# Altium PCB PCB1.PcbDoc (part 1 of 4)
Units mm, origin at the board's own origin, x right, y up, seen from the top; angles counter-clockwise.
Board outline 182 x 106 mm, 2 copper layers (Top Layer, Bottom Layer); 1027 components, 737 nets, 3417 pads, 0 vias.
Unrouted connection lines stored in the file: 2451.
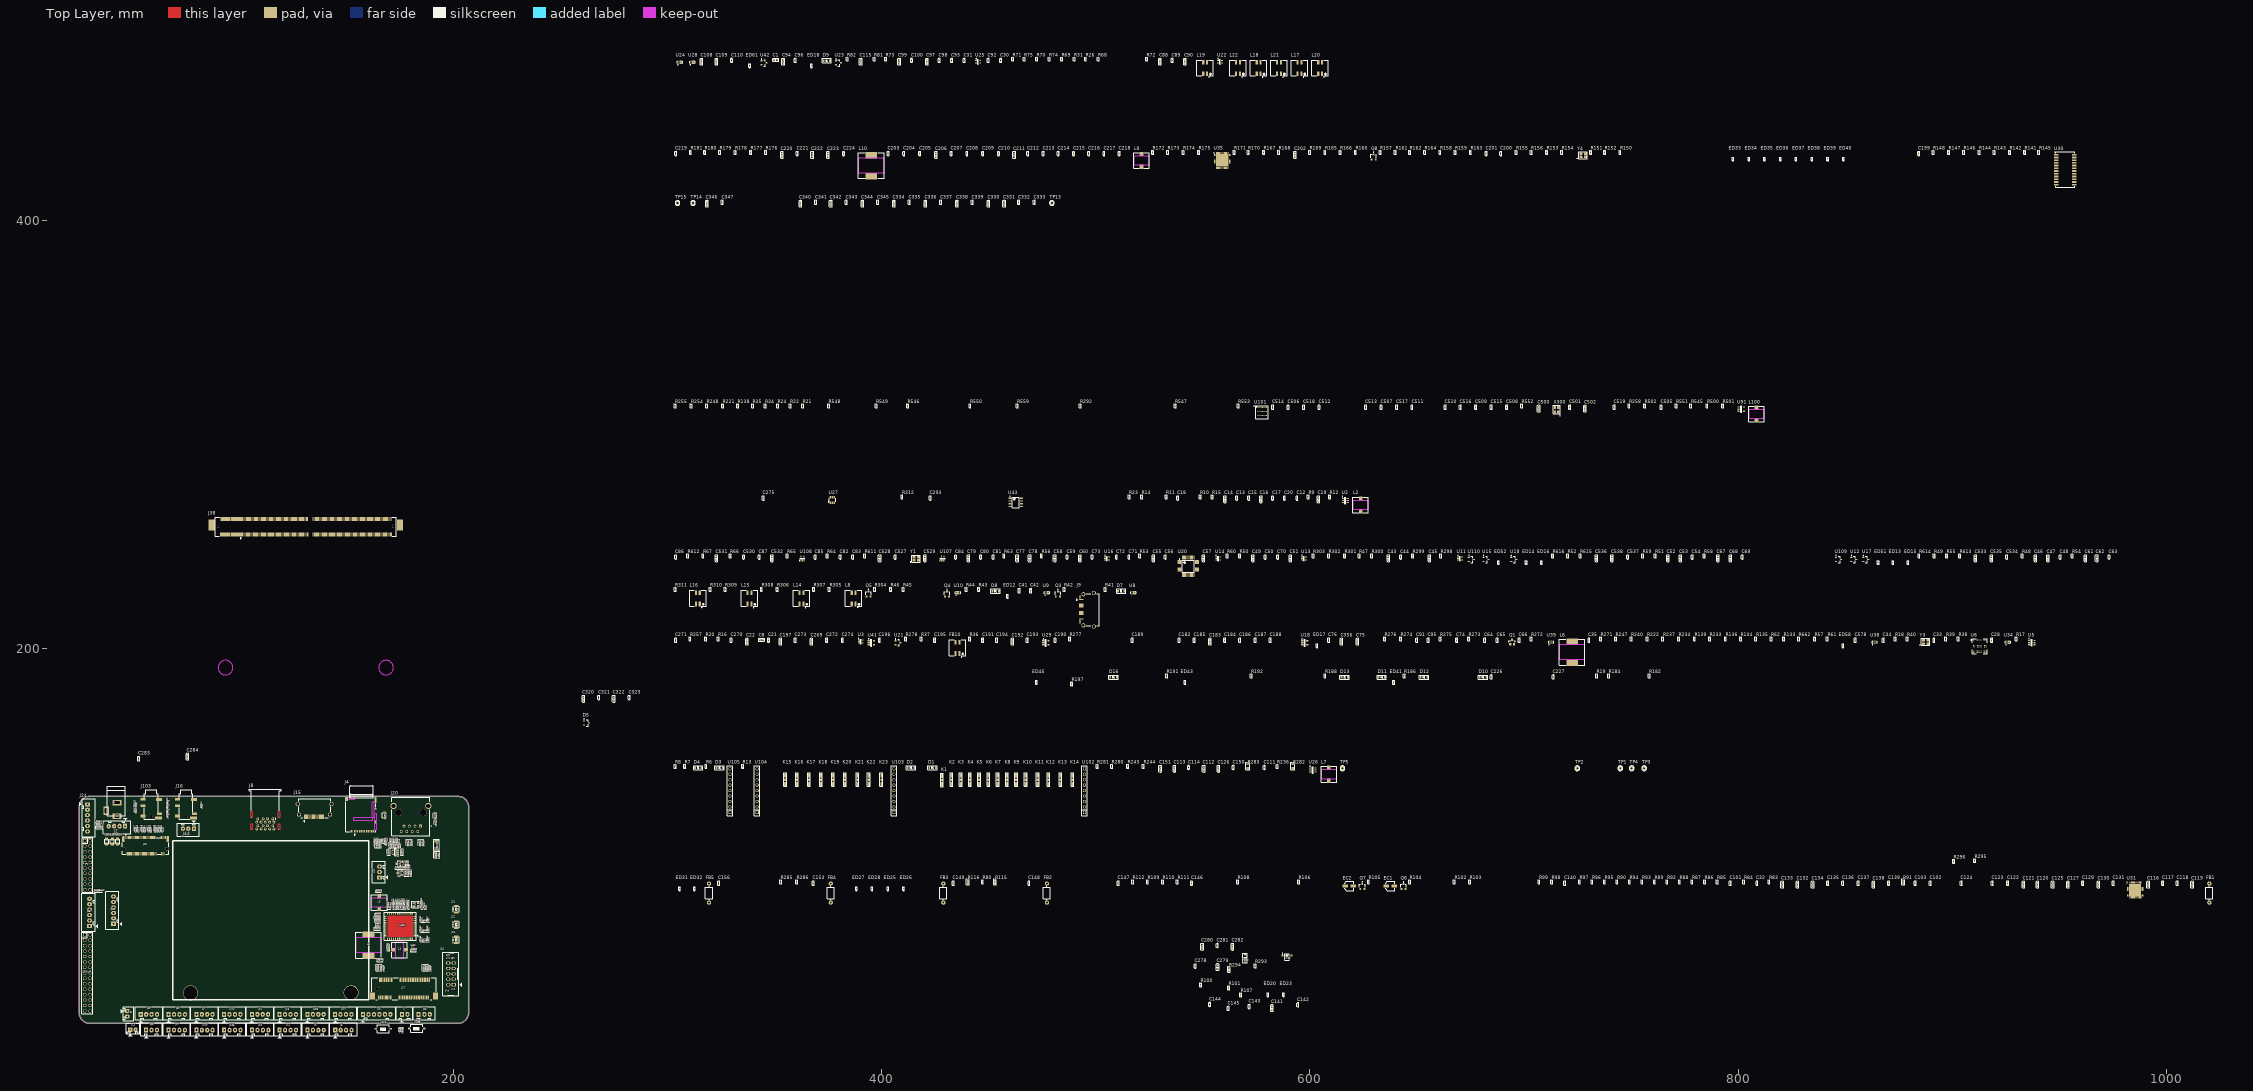
[diagram p0: Top Layer view]
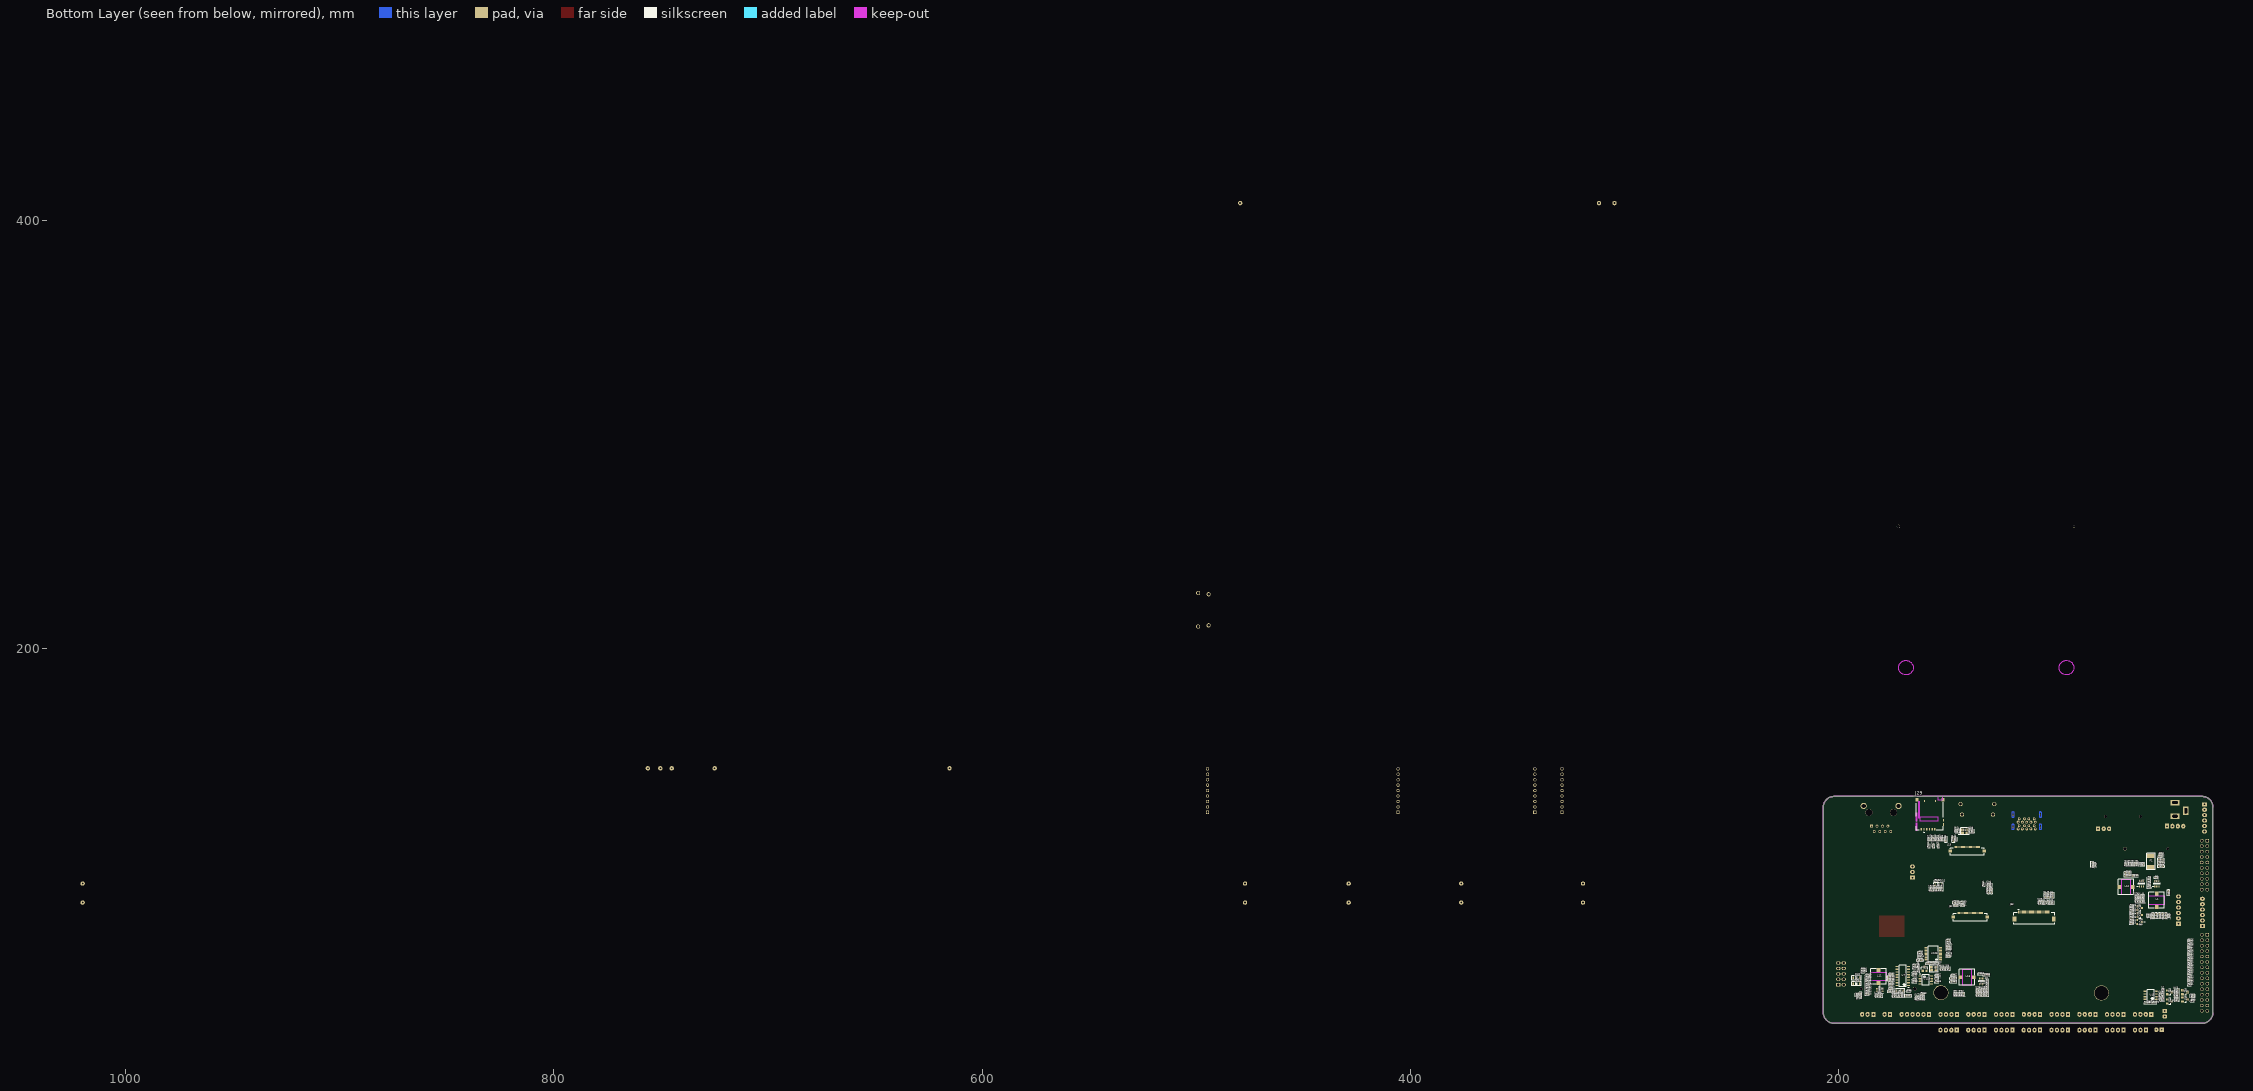
[diagram p1: Bottom Layer view, seen from below]

## Layer stack, top to bottom
Top Solder: solder mask 0.0102, Solder Resist, Dk 3.5
Top Layer: signal copper 0.0356
Dielectric 1: dielectric 0.32, FR-4, Dk 4.8
Bottom Layer: signal copper 0.0356
Bottom Solder: solder mask 0.0102, Solder Resist, Dk 3.5

## Board outline
25,30 25,126 cw(c30,126) 30,131 202,131 cw(c202,126) 207,126 207,30 cw(c202,30) 202,25 30,25 cw(c30,30)

## Design rules (kind name [scope] priority, off if disabled: settings)
Clearance [All] p1: gap=0.254
PolygonConnect [All] p1: connectstyle=Relief reliefconductorwidth=0.254 reliefentries=4 polygonreliefangle="90 Angle" airgapwidth=0.254
RoomDefinition TYPE_CO-USB3.0 [InComponentClass('TYPE_CO-USB3.0')] p1: confinementstyle=ConfineIn formatcopy=TRUE lockcomponents=FALSE outline 303.149,455.803 609.092,455.803 609.092,478.536 303.149,478.536
RoomDefinition RJ45 [InComponentClass('RJ45')] p2: confinementstyle=ConfineIn formatcopy=TRUE lockcomponents=FALSE outline 303.149,413.385 979.297,413.385 979.297,434.975 303.149,434.975
RoomDefinition MXM_Connector [InComponentClass('MXM_Connector')] p3: confinementstyle=ConfineIn formatcopy=TRUE lockcomponents=FALSE outline 303.149,317.754 559.689,317.754 559.689,412.242 303.149,412.242
RoomDefinition MIPI_Panel [InComponentClass('MIPI_Panel')] p4: confinementstyle=ConfineIn formatcopy=TRUE lockcomponents=FALSE outline 303.149,275.336 812.546,275.336 812.546,316.484 303.149,316.484
RoomDefinition MCU-TFCARD [InComponentClass('MCU-TFCARD')] p5: confinementstyle=ConfineIn formatcopy=TRUE lockcomponents=FALSE outline 303.149,247.777 627.634,247.777 627.634,274.066 303.149,274.066
RoomDefinition HOST_PORT-USB2.0 [InComponentClass('HOST_PORT-USB2.0')] p6: confinementstyle=ConfineIn formatcopy=TRUE lockcomponents=FALSE outline 303.149,232.156 1015.238,232.156 1015.238,246.507 303.149,246.507
RoomDefinition HDMI_OUT [InComponentClass('HDMI_OUT')] p7: confinementstyle=ConfineIn formatcopy=TRUE lockcomponents=FALSE outline 303.149,208.915 520.065,208.915 520.065,230.759 303.149,230.759
RoomDefinition HDMI_IN [InComponentClass('HDMI_IN')] p8: confinementstyle=ConfineIn formatcopy=TRUE lockcomponents=FALSE outline 303.149,191.643 939.546,191.643 939.546,207.645 303.149,207.645
RoomDefinition FAN [InComponentClass('FAN')] p9: confinementstyle=ConfineIn formatcopy=TRUE lockcomponents=FALSE outline 303.149,179.07 764.413,179.07 764.413,190.5 303.149,190.5
RoomDefinition DC_IN [InComponentClass('DC_IN')] p10: confinementstyle=ConfineIn formatcopy=TRUE lockcomponents=FALSE outline 303.149,121.793 759.714,121.793 759.714,148.209 303.149,148.209
RoomDefinition AUDIO_CODEC [InComponentClass('AUDIO_CODEC')] p11: confinementstyle=ConfineIn formatcopy=TRUE lockcomponents=FALSE outline 303.149,77.089 1022.731,77.089 1022.731,94.107 303.149,94.107
RoutingVias [All] p1: holewidth=0.711 width=1.27 viastyle="Through Hole" minholewidth=0.711 minwidth=1.27 maxholewidth=0.711 maxwidth=1.27
SolderMaskExpansion [All] p1: expansion=0.102
Width [All] p1: maxlimit=0.254 minlimit=0.254 preferedwidth=0.254
30 further rules are at their usual default settings.

## Classes and differential pairs
component class WIFI: C157 C158 C159 C160 C161 C162 C163 C164 C165 C166 C167 C168 C169 C170 C171 C172 C173 C174 C175 C176 C177 C178 C179 C180 C181 C285 C286 C289 J21 J22 J23 L3 L4 L5 R118 R119 R120 R121 R122 R123 R124 R125 R126 R127 R128 R129 R130 R131 R132 U32 U33 Y2
component class TYPE_CO-USB3.0: C1 C30 C31 C88 C89 C90 C92 C93 C94 C96 C97 C98 C99 C100 C108 C109 C110 C115 D9 ED18 ED61 J8 L17 L18 L19 L20 L21 L22 R26 R31 R68 R69 R70 R71 R72 R73 R74 R75 R81 R82 U22 U23 U24 U25 U28 U42
component class SPI_UART: C36 C37 C38 C39 C40 C106 C107 C357 C358 C359 C360 C361 C362 C363 C364 C572 C573 C574 C577 C580 C581 C585 C586 ED10 ED11 ED53 ED54 ED55 ED56 ED57 ED59 ED60 J5 J6 J18 J107 J108 L13 Q21 R78 R79 R137 R140 R212 R238 R242 R259 R260 R261 R262 R263 R264 R265 R266 R267 R279 R313 R314 R656 R657 R658 R671 R672 R673 U7 U44 U106 U119 Y5
component class RJ45: C198 C199 C200 C201 C202 C203 C204 C205 C206 C207 C208 C209 C210 C211 C212 C213 C214 C215 C216 C217 C218 C219 C220 C221 C222 C223 C224 C276 C277 ED33 ED34 ED35 ED36 ED37 ED38 ED39 ED40 J20 L9 L10 LED2 LED5 Q8 R141 R142 R143 R144 R145 R146 R147 R148 R149 R150 R151 R152 R153 R154 R155 R156 R157 R158 R159 R160 R161 R162 R163 R164 R165 R166 R167 R168 R169 R170 R171 R172 R173 R174 R175 R176 R177 R178 R179 R180 R181 R287 R288 R289 R290 U30 U35 Y4
component class MXM_Connector: C330 C331 C332 C333 C334 C335 C336 C337 C338 C339 C340 C341 C342 C343 C344 C345 C346 C347 C350 C351 C352 C353 J38 TP13 TP14 TP15
component class MIPI_Panel: C500 C501 C502 C503 C504 C505 C506 C507 C508 C509 C510 C511 C512 C513 C514 C515 C516 C517 C518 C519 CON40 J101 L100 R21 R22 R24 R34 R35 R138 R221 R248 R254 R255 R258 R292 R500 R501 R502 R525 R526 R527 R528 R529 R530 R531 R532 R533 R534 R535 R536 R537 R538 R539 R540 R541 R542 R543 R544 R545 R546 R547 R548 R549 R550 R551 R552 R553 R559 U91 U101 X300
component class MCU-TFCARD: C12 C13 C14 C15 C16 C17 C18 C19 C20 C23 C24 C25 C26 C27 C29 C275 C293 D5 D22 ED3 ED4 ED5 ED6 ED7 ED8 ED9 J4 J43 L2 R9 R10 R11 R12 R14 R15 R23 R25 R27 R28 R29 R30 R32 R33 R268 R269 R270 R312 U2 U4 U27 U43 U45
component class HOST_PORT-USB2.0: C43 C44 C45 C46 C47 C48 C49 C50 C51 C52 C53 C54 C55 C56 C57 C58 C59 C60 C61 C62 C63 C67 C68 C69 C70 C71 C72 C73 C77 C78 C79 C80 C81 C82 C83 C84 C85 C86 C87 C527 C528 C529 C530 C531 C532 C533 C534 C535 C536 C537 C538 ED13 ED14 ED15 ED16 ED51 ED52 J10 J11 J12 J13 J104 J105 R47 R48 R49 R50 R51 R52 R53 R54 R55 R56 R58 R59 R60 R63 R64 R65 R66 R67 R298 R299 R300 R301 R302 R303 R611 R612 R613 R614 R615 R616 U11 U12 U13 U14 U15 U16 U17 U19 U20 U107 U108 U109 U110 Y1
component class HDMI_OUT: C41 C42 D7 D8 ED12 J9 J15 L8 L14 L15 L16 Q3 Q4 Q5 R41 R42 R43 R44 R45 R46 R304 R305 R306 R307 R308 R309 R310 R311 U8 U9 U10
component class HDMI_IN: C8 C21 C22 C28 C33 C34 C35 C64 C65 C66 C74 C75 C76 C91 C95 C182 C183 C184 C185 C186 C187 C188 C189 C190 C191 C192 C193 C194 C195 C196 C197 C269 C270 C271 C272 C273 C274 C278 C279 C280 C281 C282 C356 C578 ED17 ED58 FB10 J110 L6 Q1 R16 R17 R18 R20 R36 R37 R38 R39 R40 R57 R61 R62 R133 R134 R135 R136 R139 R222 R233 R234 R237 R240 R247 R257 R271 R272 R273 R274 R275 R276 R277 R278 R293 R294 R662 U3 U5 U6 U18 U21 U29 U34 U38 U39 U40 U41 USB1 Y3
component class FAN: C104 C105 C225 C226 C227 C228 D6 D10 D11 D12 D13 D14 D15 D16 D20 ED41 ED42 ED43 ED44 ED45 ED46 ED47 J7 J25 J26 J109 KEY5 KEY6 LED1 LED3 Q2 Q9 Q10 Q12 Q13 Q17 R19 R113 R114 R117 R182 R183 R184 R185 R186 R187 R188 R189 R190 R191 R192 R193 R194 R195 R196 R197 R198 R199 R200 R201 R202 R203 R204 R205 R206 R235 R297 R607 R608
component class eDP: C283 C284 C320 C321 C322 C323 C324 C325 C326 C327 C328 C329 J24 J34 J41 J42 J45 J47 JP1 Q16 R250 R251 R252 R253 R291 R315 R661
component class DC_IN: C2 C3 C4 C5 C6 C7 C9 C10 C11 C111 C112 C113 C114 C126 C150 C151 C354 C355 D1 D2 D3 D4 ED1 ED2 F1 J1 J2 J3 K1 K2 K3 K4 K5 K6 K7 K8 K9 K10 K11 K12 K13 K14 K15 K16 K17 K18 K19 K20 K21 K22 K23 L1 L7 M1 M2 M3 M4 M5 M6 M7 M8 R1 R2 R3 R4 R5 R6 R7 R8 R13 R236 R243 R244 R280 R281 R282 R283 TP1 TP2 TP3 TP4 TP5 U1 U26 U102 U103 U104 U105
component class CAMERA: C128 C152 C154 C155 C287 C288 C311 C312 C313 C315 C316 C318 C319 J19 J32 J33 R76 R77 R209 R239 R241 R245 R246 R284 X1
component class AUDIO_CODEC: C32 C101 C102 C103 C116 C117 C118 C119 C120 C121 C122 C123 C124 C125 C127 C129 C130 C131 C132 C133 C134 C135 C136 C137 C138 C139 C140 C141 C142 C143 C144 C145 C146 C147 C148 C149 C153 C156 EC1 EC2 ED19 ED20 ED21 ED22 ED23 ED24 ED25 ED26 ED27 ED28 ED29 ED30 ED31 ED32 ED62 FB1 FB2 FB3 FB4 FB5 J14 J16 J17 J44 J103 Q6 Q7 R80 R83 R84 R85 R86 R87 R88 R89 R90 R91 R92 R93 R94 R95 R96 R97 R98 R99 R100 R101 R102 R103 R104 R105 R106 R107 R108 R109 R110 R111 R112 R115 R116 R285 R286 R295 R296 U31
component class 3G4G: C229 C230 C231 C232 C233 C234 C235 C236 C237 C238 C239 C240 C241 C242 C243 C244 C245 C246 C247 C248 C249 C250 C251 C252 C253 C254 C255 C256 C257 C258 C259 C260 C261 C262 C263 C264 C265 C266 C267 C268 C290 C291 C292 ED48 ED49 ED50 J27 J28 J29 L11 L12 LED4 Q14 Q15 R207 R208 R210 R211 R213 R214 R215 R216 R217 R218 R219 R220 R223 R224 R225 R226 R227 R228 R229 R230 R231 R232 R249 R256 U36 U37

## Components (designator, comment, footprint, x,y, rotation, side; value= is the part's Value field where it differs from the comment)
C1 "C0603" "C 0603" 350.393,475.107 r0 top
C2 "C0603" "C 0603" 49.375,101.435 r180 bottom
C3 "C0402" "C 0402" 57.4,99.3 r90 bottom
C4 "C0402" "C 0402" 54.8,88.3 r0 bottom
C5 "C0603" "C 0603" 49.3,98.3 r180 bottom
C6 "C0603" "C 0603" 45.8,86.025 r90 bottom
C7 "C0402" "C 0402" 58.6,99.3 r90 bottom
C8 "C0603" "C 0603" 343.789,204.216 r0 top
C9 "C0603" "C 0603" 51.5,75.3 r270 bottom
C10 "C0603" "C 0603" 50,75.3 r270 bottom
C11 "C0402" "C 0402" 55.4,75.3 r270 bottom
C12 "C0402" "C 0402" 593.979,270.383 r90 top
C13 "C0402" "C 0402" 565.785,270.383 r90 top
C14 "C0603" "C 0603" 560.324,269.748 r90 top
C15 "C0402" "C 0402" 571.373,270.383 r90 top
C16 "C0603" "C 0603" 577.088,269.748 r90 top
C17 "C0402" "C 0402" 582.549,270.383 r90 top
C18 "C0402" "C 0402" 538.226,270.383 r90 top
C19 "C0603" "C 0603" 604.012,269.748 r90 top
C20 "C0402" "C 0402" 588.137,270.383 r90 top
C21 "C0402" "C 0402" 347.091,203.962 r90 top
C22 "C0603" "C 0603" 337.058,203.327 r90 top
C23 "C0402" "C 0402" 49.3,36.1 r270 bottom
C24 "C0603" "C 0603" 175.9,105 r270 top
C25 "C0603" "C 0603" 169.7,105 r90 top
C26 "C0603" "C 0603" 168.4,110 r90 top
C27 "C0402" "C 0402" 167,110 r90 top
C28 "C0402" "C 0402" 918.464,203.962 r90 top
C29 "C0402" "C 0402" 172.6,108 r90 top
C30 "C0402" "C 0402" 455.549,474.853 r90 top
C31 "C0402" "C 0402" 438.531,474.853 r90 top
C32 "C0402" "C 0402" 808.863,90.424 r90 top
C33 "C0402" "C 0402" 891.54,203.962 r90 top
C34 "C0402" "C 0402" 867.918,203.962 r90 top
C35 "C0402" "C 0402" 730.377,203.962 r90 top
C36 "C0402" "C 0402" 167.2,40 r180 bottom
C37 "C0402" "C 0402" 164.45,45.3 r180 bottom
C38 "C0402" "C 0402" 164.45,44.1 r0 bottom
C39 "C0402" "C 0402" 164.45,47.4 r180 bottom
C40 "C0402" "C 0402" 164.45,48.6 r0 bottom
C41 "C0402" "C 0402" 464.185,227.076 r90 top
C42 "C0402" "C 0402" 469.519,227.076 r90 top
C43 "C0603" "C 0603" 636.778,242.189 r90 top
C44 "C0402" "C 0402" 642.366,242.824 r90 top
C45 "C0603" "C 0603" 655.828,242.189 r90 top
C46 "C0603" "C 0603" 938.911,242.189 r90 top
C47 "C0603" "C 0603" 944.753,242.189 r90 top
C48 "C0402" "C 0402" 950.468,242.824 r90 top
C49 "C0603" "C 0603" 573.405,242.189 r90 top
C50 "C0402" "C 0402" 579.12,242.824 r90 top
C51 "C0603" "C 0603" 590.931,242.189 r90 top
C52 "C0603" "C 0603" 767.207,242.189 r90 top
C53 "C0603" "C 0603" 773.049,242.189 r90 top
C54 "C0402" "C 0402" 778.637,242.824 r90 top
C55 "C0603" "C 0603" 526.923,242.189 r90 top
C56 "C0402" "C 0402" 532.511,242.824 r90 top
C57 "C0603" "C 0603" 550.291,242.189 r90 top
C58 "C0603" "C 0603" 480.822,242.189 r90 top
C59 "C0402" "C 0402" 486.537,242.824 r90 top
C60 "C0603" "C 0603" 492.633,242.189 r90 top
C61 "C0603" "C 0603" 962.279,242.189 r90 top
C62 "C0603" "C 0603" 967.613,242.189 r90 top
C63 "C0402" "C 0402" 973.328,242.824 r90 top
C64 "C0402" "C 0402" 681.736,203.962 r90 top
C65 "C0402" "C 0402" 687.578,203.962 r90 top
C66 "C0402" "C 0402" 697.738,203.962 r90 top
C67 "C0603" "C 0603" 790.575,242.189 r90 top
C68 "C0603" "C 0603" 796.417,242.189 r90 top
C69 "C0402" "C 0402" 802.005,242.824 r90 top
C70 "C0402" "C 0402" 584.962,242.824 r90 top
C71 "C0402" "C 0402" 515.493,242.824 r90 top
C72 "C0402" "C 0402" 509.651,242.824 r90 top
C73 "C0402" "C 0402" 498.221,242.824 r90 top
C74 "C0402" "C 0402" 668.528,203.962 r90 top
C75 "C0603" "C 0603" 622.173,203.327 r90 top
C76 "C0402" "C 0402" 608.838,203.962 r90 top
C77 "C0603" "C 0603" 463.296,242.189 r90 top
C78 "C0603" "C 0603" 469.138,242.189 r90 top
C79 "C0603" "C 0603" 440.436,242.189 r90 top
C80 "C0402" "C 0402" 446.151,242.824 r90 top
C81 "C0402" "C 0402" 451.993,242.824 r90 top
C82 "C0402" "C 0402" 380.619,242.824 r90 top
C83 "C0402" "C 0402" 386.461,242.824 r90 top
C84 "C0402" "C 0402" 434.467,242.824 r90 top
C85 "C0402" "C 0402" 368.935,242.824 r90 top
C86 "C0402" "C 0402" 303.784,242.824 r90 top
C87 "C0402" "C 0402" 342.773,242.824 r90 top
C88 "C0603" "C 0603" 529.971,474.218 r90 top
C89 "C0402" "C 0402" 535.686,474.853 r90 top
C90 "C0603" "C 0603" 541.655,474.218 r90 top
C91 "C0402" "C 0402" 649.986,203.962 r90 top
C92 "C0402" "C 0402" 449.707,474.853 r90 top
C93 "C0402" "C 0402" 432.689,474.853 r90 top
C94 "C0603" "C 0603" 353.949,474.218 r90 top
C95 "C0402" "C 0402" 655.32,203.962 r90 top
C96 "C0402" "C 0402" 359.537,474.853 r90 top
C97 "C0603" "C 0603" 421.132,474.218 r90 top
C98 "C0402" "C 0402" 426.847,474.853 r90 top
C99 "C0603" "C 0603" 408.178,474.218 r90 top
C100 "C0402" "C 0402" 413.893,474.853 r90 top
C101 "C0402" "C 0402" 796.417,90.424 r90 top
C102 "C0402" "C 0402" 889.889,90.424 r90 top
C103 "C0402" "C 0402" 882.777,90.424 r90 top
C104 "C0402" "C 0402" 42.3,36 r90 bottom
C105 "C0402" "C 0402" 42.3,40.2 r90 bottom
C106 "C0402" "C 0402" 169.7,37.8 r90 bottom
C107 "C0603" "C 0603" 167.4,37.8 r0 bottom
C108 "C0603" "C 0603" 315.722,474.218 r90 top
C109 "C0603" "C 0603" 322.834,474.218 r90 top
C110 "C0402" "C 0402" 329.819,474.853 r90 top
C111 "C0402" "C 0402" 578.739,144.526 r90 top
C112 "C0603" "C 0603" 550.418,143.891 r90 top
C113 "C0603" "C 0603" 536.702,143.891 r90 top
C114 "C0402" "C 0402" 543.306,144.526 r90 top
C115 "C0603" "C 0603" 390.144,474.218 r90 top
C116 "C0603" "C 0603" 991.616,89.789 r90 top
C117 "C0402" "C 0402" 998.347,90.424 r90 top
C118 "C0402" "C 0402" 1005.205,90.424 r90 top
C119 "C0603" "C 0603" 1012.19,89.789 r90 top
C120 "C0603" "C 0603" 939.927,89.789 r90 top
C121 "C0603" "C 0603" 933.323,89.789 r90 top
C122 "C0402" "C 0402" 925.957,90.424 r90 top
C123 "C0402" "C 0402" 918.845,90.424 r90 top
C124 "C0402" "C 0402" 904.367,90.424 r90 top
C125 "C0603" "C 0603" 947.039,89.789 r90 top
C126 "C0603" "C 0603" 557.276,143.891 r90 top
C127 "C0603" "C 0603" 954.151,89.789 r90 top
C128 "C0402" "C 0402" 144.9,114.8 r270 bottom
C129 "C0402" "C 0402" 961.009,90.424 r90 top
C130 "C0603" "C 0603" 968.375,89.789 r90 top
C131 "C0402" "C 0402" 975.233,90.424 r90 top
C132 "C0603" "C 0603" 827.786,89.789 r90 top
C133 "C0603" "C 0603" 820.674,89.789 r90 top
C134 "C0603" "C 0603" 834.898,89.789 r90 top
C135 "C0402" "C 0402" 841.883,90.424 r90 top
C136 "C0402" "C 0402" 848.995,90.424 r90 top
C137 "C0402" "C 0402" 856.107,90.424 r90 top
C138 "C0603" "C 0603" 863.346,89.789 r90 top
C139 "C0402" "C 0402" 870.331,90.424 r90 top
C140 "C0402" "C 0402" 719.074,90.424 r90 top
C141 "C0603" "C 0603" 582.3,32.1 r90 top
C142 "C0402" "C 0402" 594.4,33.6 r90 top
C143 "C0402" "C 0402" 571.6,32.825 r90 top
C144 "C0402" "C 0402" 553.2,33.8 r90 top
C145 "C0402" "C 0402" 561.8,32 r90 top
C146 "C0402" "C 0402" 544.703,90.424 r90 top
C147 "C0402" "C 0402" 510.413,90.424 r90 top
C148 "C0402" "C 0402" 468.757,90.424 r90 top
C149 "C0402" "C 0402" 433.324,90.424 r90 top
C150 "C0402" "C 0402" 564.134,144.526 r90 top
C151 "C0603" "C 0603" 530.098,143.891 r90 top
C152 "C0402" "C 0402" 144.9,111.1 r90 bottom
C153 "C0402" "C 0402" 367.919,90.424 r90 top
C154 "C0603" "C 0603" 146.3,110.925 r90 bottom
C155 "C0402" "C 0402" 136.9,114.8 r90 bottom
C156 "C0402" "C 0402" 323.85,90.424 r90 top
C157 "C0402" "C 0402" 188.125,73.1 r90 top
C158 "C0402" "C 0402" 188.1,68.5 r90 top
C159 "C0402" "C 0402" 186.525,72.6 r180 top
C160 "C0402" "C 0402" 186.5,68 r180 top
C161 "C0402" "C 0402" 184.925,73.1 r90 top
C162 "C0402" "C 0402" 184.9,68.5 r90 top
C163 "C0402" "C 0402" 188.1,64 r90 top
C164 "C0402" "C 0402" 186.5,63.5 r180 top
C165 "C0402" "C 0402" 184.9,64 r90 top
C166 "C0402" "C 0402" 185.2,81.375 r90 top
C167 "C0402" "C 0402" 178.9,81.275 r270 top
C168 "C0603" "C 0603" 169.9,79.8 r270 top
C169 "C0603" "C 0603" 181.125,59.1 r180 top
C170 "C0603" "C 0603" 169.5,60.4 r270 top
C171 "C0402" "C 0402" 164.2,70.5 r180 top
C172 "C0603" "C 0603" 164.2,69.2 r180 top
C173 "C0603" "C 0603" 164.8,86.8 r180 top
C174 "C0402" "C 0402" 164.2,71.6 r180 top
C175 "C0603" "C 0603" 164.3,72.9 r180 top
C176 "C0402" "C 0402" 173,79.275 r90 top
C177 "C0402" "C 0402" 171.9,79.275 r90 top
C178 "C0402" "C 0402" 174.1,79.275 r90 top
C179 "C0402" "C 0402" 175.2,79.275 r90 top
C180 "C0402" "C 0402" 177.4,79.275 r90 top
C181 "C0402" "C 0402" 176.3,79.275 r90 top
C182 "C0402" "C 0402" 538.861,203.962 r90 top
C183 "C0603" "C 0603" 553.339,203.327 r90 top
C184 "C0402" "C 0402" 560.197,203.962 r90 top
C185 "C0402" "C 0402" 545.973,203.962 r90 top
C186 "C0402" "C 0402" 567.309,203.962 r90 top
C187 "C0402" "C 0402" 574.421,203.962 r90 top
C188 "C0402" "C 0402" 581.533,203.962 r90 top
C189 "C0402" "C 0402" 517.017,203.962 r90 top
C190 "C0402" "C 0402" 480.949,203.962 r90 top
C191 "C0402" "C 0402" 447.167,203.962 r90 top
C192 "C0603" "C 0603" 461.01,203.327 r90 top
C193 "C0402" "C 0402" 467.995,203.962 r90 top
C194 "C0402" "C 0402" 453.771,203.962 r90 top
C195 "C0402" "C 0402" 424.688,203.962 r90 top
C196 "C0402" "C 0402" 398.907,203.962 r90 top
C197 "C0603" "C 0603" 352.679,203.327 r90 top
C198 "C1206" "C 1206" 192,108.3 r90 top
C199 "C0402" "C 0402" 884.428,431.292 r90 top
C200 "C0402" "C 0402" 689.229,431.292 r90 top
C201 "C0402" "C 0402" 682.371,431.292 r90 top
C202 "C0603" "C 0603" 593.09,430.657 r90 top
C203 "C0402" "C 0402" 402.971,431.292 r90 top
C204 "C0402" "C 0402" 410.337,431.292 r90 top
C205 "C0402" "C 0402" 417.703,431.292 r90 top
C206 "C0603" "C 0603" 425.323,430.657 r90 top
C207 "C0402" "C 0402" 432.435,431.292 r90 top
C208 "C0402" "C 0402" 439.801,431.292 r90 top
C209 "C0402" "C 0402" 447.167,431.292 r90 top
C210 "C0402" "C 0402" 454.533,431.292 r90 top
C211 "C0603" "C 0603" 461.899,430.657 r90 top
C212 "C0402" "C 0402" 468.249,431.292 r90 top
C213 "C0402" "C 0402" 475.361,431.292 r90 top
C214 "C0402" "C 0402" 482.473,431.292 r90 top
C215 "C0402" "C 0402" 489.585,431.292 r90 top
C216 "C0402" "C 0402" 496.697,431.292 r90 top
C217 "C0402" "C 0402" 503.809,431.292 r90 top
C218 "C0402" "C 0402" 510.921,431.292 r90 top
C219 "C0402" "C 0402" 303.784,431.292 r90 top
C220 "C0603" "C 0603" 353.314,430.657 r90 top
C221 "C0402" "C 0402" 360.553,431.292 r90 top
C222 "C0603" "C 0603" 367.538,430.657 r90 top
C223 "C0603" "C 0603" 374.904,430.657 r90 top
C224 "C0402" "C 0402" 382.143,431.292 r90 top
C225 "C0402" "C 0402" 178.4,100.1 r270 top
C226 "C0402" "C 0402" 684.784,186.817 r90 top
C227 "C0402" "C 0402" 713.74,186.817 r90 top
C228 "C0603" "C 0603" 179.7,95.1 r90 top
C229 "C0402" "C 0402" 186.375,47.2 r180 bottom
C230 "C0402" "C 0402" 186.4,41.7 r180 bottom
C231 "C0402" "C 0402" 60.5,84.1 r90 bottom
C232 "C0603" "C 0603" 175.525,46.6 r0 bottom
C233 "C0603" "C 0603" 64.9,95.3 r0 bottom
C234 "C0603" "C 0603" 175.475,39.8 r180 bottom
C235 "C0603" "C 0603" 175.525,45.2 r0 bottom
C236 "C0603" "C 0603" 61.6,93.8 r0 bottom
C237 "C0402" "C 0402" 182.1,37.8 r90 bottom
C238 "C0402" "C 0402" 175.525,47.8 r0 bottom
C239 "C0402" "C 0402" 59.4,84.1 r90 bottom
C240 "C0402" "C 0402" 64.4,99.3 r90 bottom
C241 "C0402" "C 0402" 175.475,41.1 r180 bottom
C242 "C0402" "C 0402" 57.2,82.1 r90 bottom
C243 "C0603" "C 0603" 165.7,50.9 r90 top
C244 "C0402" "C 0402" 167,50.9 r90 top
C245 "C0402" "C 0402" 63.8,115.5 r90 top
C246 "C0402" "C 0402" 62.7,115.5 r90 top
C247 "C0402" "C 0402" 61.6,115.5 r90 top
C248 "C0402" "C 0402" 60.5,115.5 r90 top
C249 "C0402" "C 0402" 175.525,42.8 r0 bottom
C250 "C0402" "C 0402" 58.6,115.5 r90 top
C251 "C0402" "C 0402" 57.5,115.5 r90 top